# Altium PCB GBA_V1.PcbDoc (part 2 of 4) (continued)
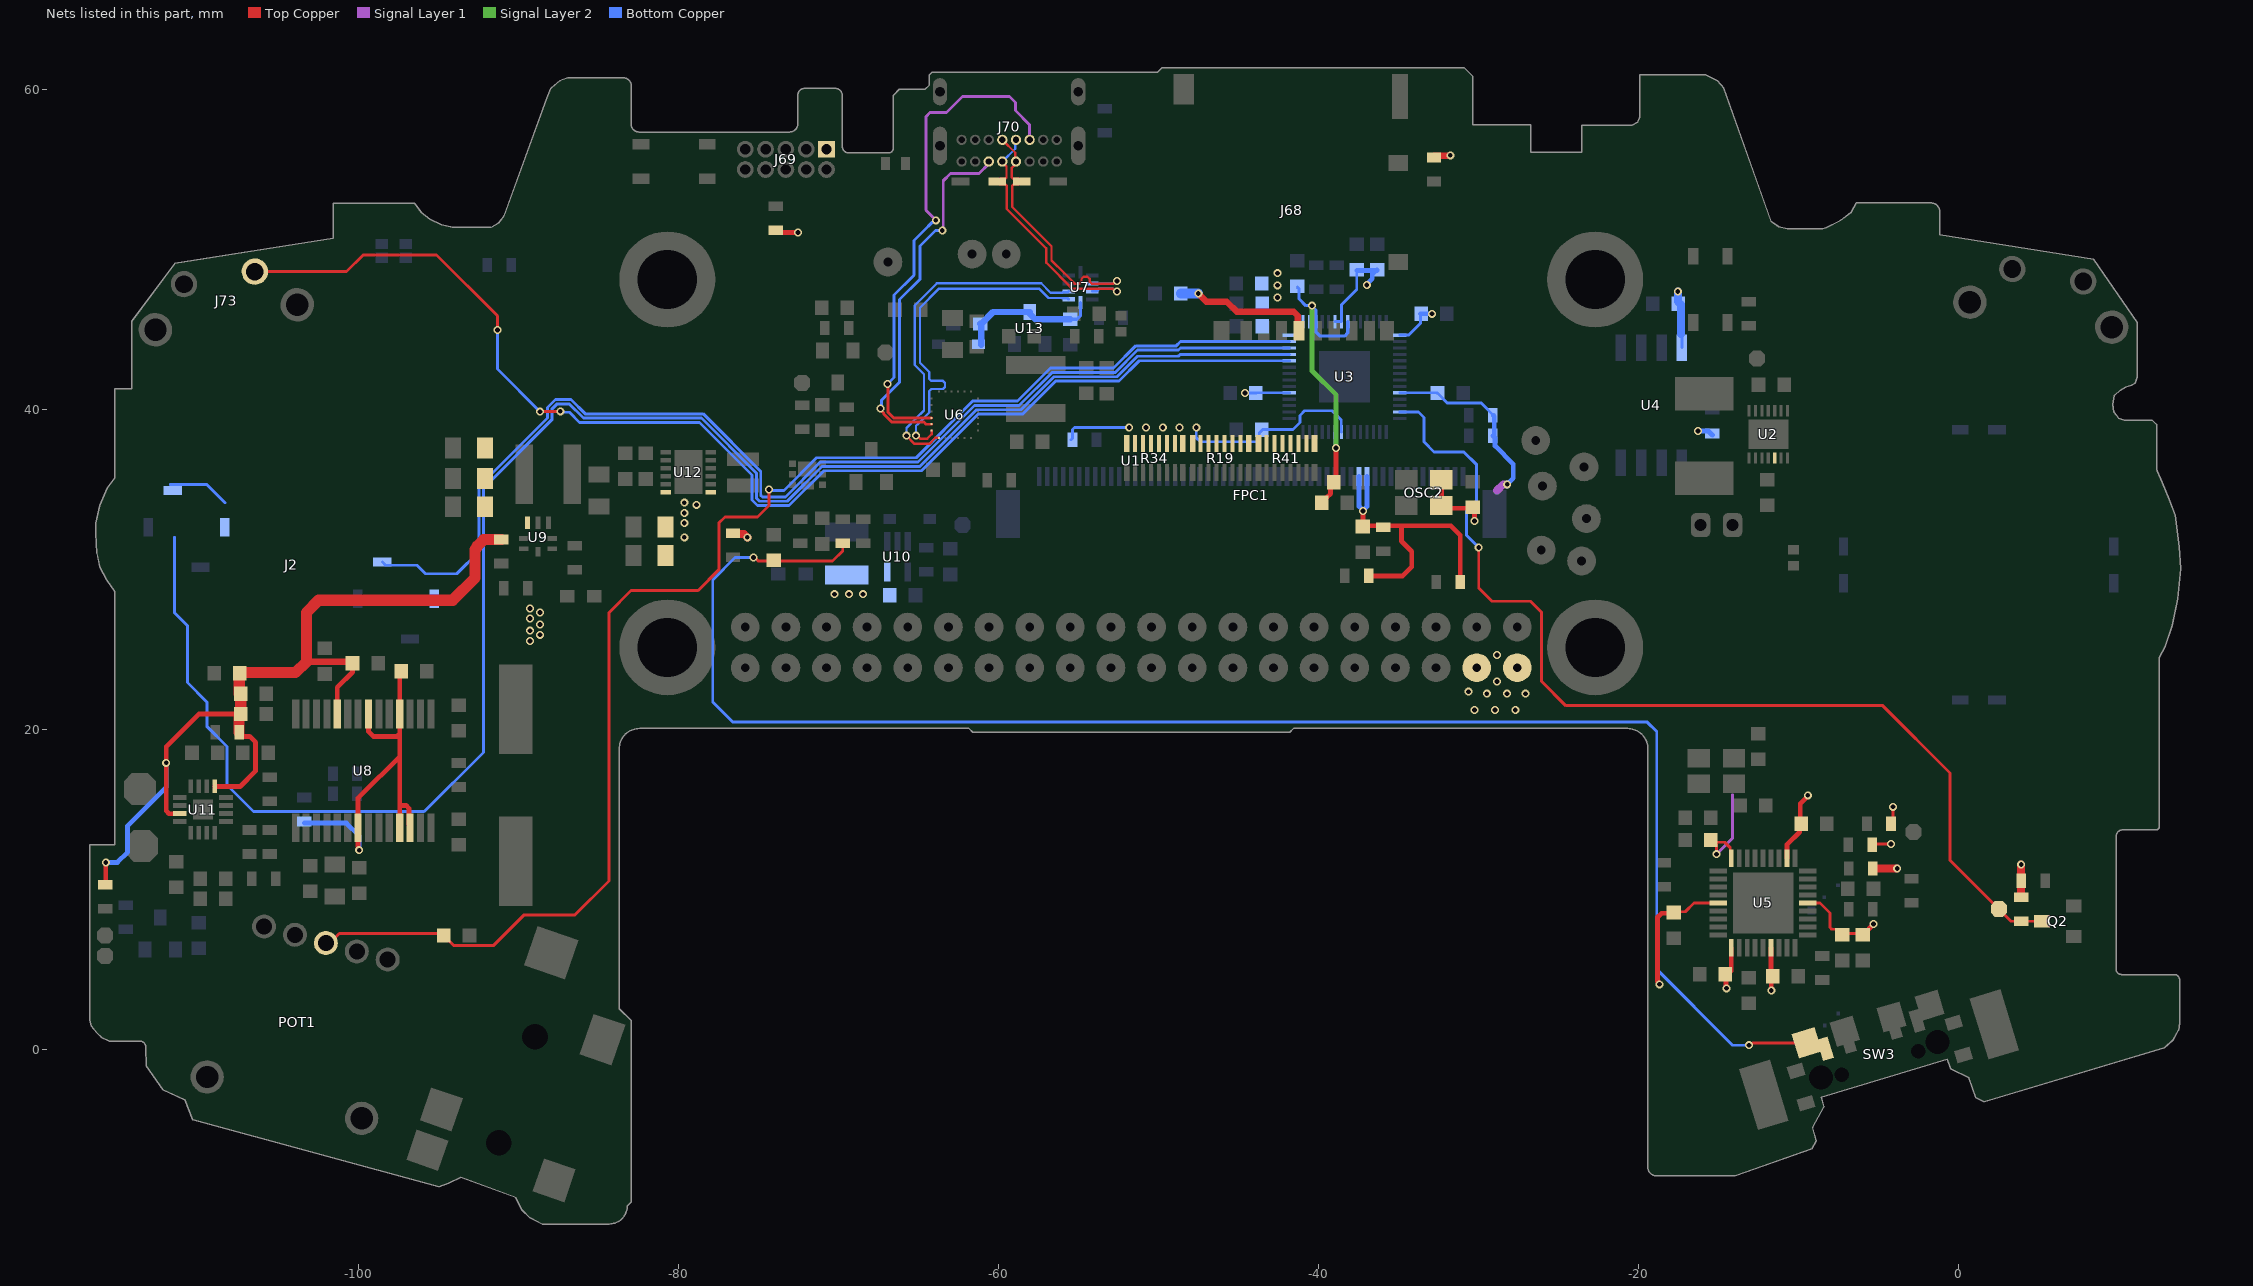
[diagram p4: the nets of this part, all layers, seen from the top]
## Part data (continued)
R59: library part RE0603FRE07200KL, "Res Thick Film 0603 200K Ohm 1% 1/10W ±50ppm/°C Molded SMD Paper T/R", Case/Package=0603, Manufacturer=Yageo, Max Operating Temperature=155°C, Max Power Dissipation=100mW, Min Operating Temperature=-55°C, Resistance=200kR, Resistor Type="Thick Film", Supplier Part Number 1=603-RE0603FRE07200KL, Temperature Coefficient=50ppm/°C, Tolerance=1%, Category="Chip SMD Resistors", ComponentLink1Description=http://www.yageo.com/NewPortal/yageodocoutput?fileName=/pdf/R-Chip/PYu-RE_105_RoHS_L_4.pdf&src-supplier=Digi-Key, ComponentLink1URL=http://www.yageo.com/NewPortal/yageodocoutput?fileName=/pdf/R-Chip/PYu-RE_105_RoHS_L_4.pdf&src-supplier=Digi-Key, Features="Moisture Resistant", Height=0.022inch, Length=0.063inch, Manufacturer Part Number=RE0603FRE07200KL, Number of Terminations=2, Packaging="Tape and Reel", Pricing 1="1=0,10000, 10=0,03700, 50=0,03700, 100=0,01500, 1000=0,00700, 10000=0,00500 (USD)", RoHS=Yes, RoHS Compliant=Yes, Stock 1=23235, Supplier 1=Mouser, Width=0.032inch
RSENSE1: library part LR2512-23R010F4, "Low Resistors & Current Sense Resistors - Surface Mount 0.01Ohms ±1% 3W 2512 RoHS"
SOLDER1 SOLDER2: library part SOLDERPAD
SW1 SW2: library part SKRPACE010, "Tactile Switches 4.2x3.2x2.5mm 260gf", Case/Package=SMD/SMT, Color=Clear, Contact Resistance=500mR, Current Rating=50mA, Manufacturer="Alps Electric", Max Operating Temperature=70°C, Max Voltage Rating (DC)=16V, Min Operating Temperature=-20°C, Operating Force=2.55N, Package Quantity=4000, Actuator Length=0.7mm, Category="Tactile Switches", ComponentLink1Description=https://datasheet.ciiva.com/16156/skrp-16156208.pdf?src-supplier=Onlinecomponents.com, ComponentLink1URL=https://datasheet.ciiva.com/16156/skrp-16156208.pdf?src-supplier=Onlinecomponents.com, ComponentLink2Description=https://datasheet.ciiva.com/18145/getdatasheetpartid-652528-18145947.pdf?src-supplier=Verical, ComponentLink2URL=https://datasheet.ciiva.com/18145/getdatasheetpartid-652528-18145947.pdf?src-supplier=Verical, Contact Plating=Silver, Depth=3.2mm, Electrical Life=50000Cycles, Lead Free="Lead Free", Length=4.6mm, Manufacturer Part Number=SKRPACE010, Max Current Rating=50mA, Mount="Surface Mount", Orientation=Straight, Packaging="Tape and Reel", Pricing 1="4000=0,05263, 8000=0,05195, 16000=0,05063, 24000=0,04938, 40000=0,04819 (USD)", Radiation Hardening=No, RoHS=Yes, Supplier 1=Avnet, Supplier Part Number 1=SKRPACE010, Termination=J-Bend, Throw Configuration=SPST, Voltage Rating (DC)=16V
SW3: library part "GBA Switch Original", "Interruptor Original On OFF"
TEST1 TEST2 TEST3 TEST4 TEST5 TEST6 TEST7 TEST17: library part PP_SMT_ROUND_2MM, "Probe Pad, SMT, ROUND, 2.0MM"
THR1 THR2: library part NCP15XH103F03RC, "THERMISTOR NTC 10KOHM 3380K 0402", B Value Tolerance=±1%, Manufacturer="Murata Electronics North America", Operating Temperature="-40°C ~ 125°C", Package / Case="0402 (1005 Metric)", Resistance in Ohms @ 25°C=10k, Supplier Part Number 1=490-4801-1-ND, B0/50=-, B25/50=3380K, B25/75=-, B25/85=3434K, B25/100=3455K, Category="Sensors, Transducers", ComponentLink1Description=https://www.murata.com/en-us/api/pdfdownloadapi?cate=&partno=NCP15XH103F03RC, ComponentLink1URL=https://www.murata.com/en-us/api/pdfdownloadapi?cate=&partno=NCP15XH103F03RC, Length - Lead Wire=-, Manufacturer Part Number=NCP15XH103F03RC, Mounting Type="Surface Mount", Packaging="Cut Tape (CT)", Part Status=Active, Pricing 1="1=0.11, 5=0.106, 10=0.094, 25=0.0868, 50=0.0696, 100=0.0596, 500=0.05216, 1000=0.04471, 5000=0.03974 (GBP)", Resistance Tolerance=±1%, RoHS="RoHS Compliant", Stock 1=432156, Supplier 1=Digi-Key
TVS1 TVS2: library part PESD5V0S1BA,115, "PESD Series 14 V 45 pF Bi-Directional ESD Protection Diode - SOD-323", Manufacturer=Nexperia, Supplier Part Number 1=771-PESD5V0S1BA-T/R, Category="ESD and Circuit Protection ICs", ComponentLink1Description=http://www.farnell.com/datasheets/461331.pdf?src-supplier=Farnell, ComponentLink1URL=http://www.farnell.com/datasheets/461331.pdf?src-supplier=Farnell, ComponentLink2Description=https://assets.nexperia.com/documents/data-sheet/PESD5V0S1BA_BB_BL.pdf?src-supplier=Digi-Key, ComponentLink2URL=https://assets.nexperia.com/documents/data-sheet/PESD5V0S1BA_BB_BL.pdf?src-supplier=Digi-Key, Manufacturer Part Number=PESD5V0S1BA,115, Pricing 1="1=0,40000, 10=0,30800, 50=0,30800, 100=0,17500, 1000=0,08900, 10000=0,06900 (USD)", RoHS=Yes, RoHS Compliant=Yes, Supplier 1=Mouser
TVS3: library part DESD5V0U1BA-7, "TVSDIODE5VWM7.2VCSOD323", Clamping Voltage=7.2V, Manufacturer=Diodes, Max Operating Temperature=150°C, Min Breakdown Voltage=5.5V, Min Operating Temperature=-65°C, Peak Pulse Current=3A, Power Line Protection=No, Resistor Type=Zener, Reverse Standoff Voltage=5V, Supplier Part Number 1=621-DESD5V0U1BA-7, Category="TVS Diodes", ComponentLink1Description=http://www.farnell.com/datasheets/2814368.pdf?src-supplier=Farnell, ComponentLink1URL=http://www.farnell.com/datasheets/2814368.pdf?src-supplier=Farnell, ComponentLink2Description=http://www.mouser.com/ds/2/115/DESD5V0U1BA-756900.pdf?src-supplier=Mouser, ComponentLink2URL=http://www.mouser.com/ds/2/115/DESD5V0U1BA-756900.pdf?src-supplier=Mouser, ComponentLink3Description=http://www.farnell.com/datasheets/2814368.pdf?src-supplier=Newark, ComponentLink3URL=http://www.farnell.com/datasheets/2814368.pdf?src-supplier=Newark, ComponentLink4Description=http://www.farnell.com/datasheets/2814368.pdf?src-supplier=Element14, ComponentLink4URL=http://www.farnell.com/datasheets/2814368.pdf?src-supplier=Element14, ComponentLink5Description=https://www.diodes.com/assets/Datasheets/DESD5V0U1BA.pdf?src-supplier=Digi-Key, ComponentLink5URL=https://www.diodes.com/assets/Datasheets/DESD5V0U1BA.pdf?src-supplier=Digi-Key, Manufacturer Part Number=DESD5V0U1BA-7, Mount="Surface Mount", Number of Bidirectional Channels=1, Packaging="Tape and Reel", Pricing 1="1=0,26000, 10=0,21200, 50=0,21200, 100=0,11300, 1000=0,05100, 10000=0,03300 (USD)", RoHS=Yes, RoHS Compliant=Yes, Stock 1=119202, Supplier 1=Mouser
U1: library part "PI ZERO 2W", "Comprar los pogo 575-906015  x 60 y los de los tornillos x4 710-9774025151R"
U2: library part MAX17260SETD+, "Gestión de baterías 5.1 A 1-Cell Fuel Gauge with ModelGauge m5 EZ and Optional High-SideCurrent Sensing", Manufacturer="Maxim Integrated", Supplier Part Number 1=700-MAX17260SETD+, Temperatura operativa máxima="+ 85 C", Temperatura operativa mínima="- 40 C", Voltaje operativo de suministro="2.3 V to 4.9 V", Cantidad estándar de paquetes=100, Category="Gestión de baterías", CNHTS=8542319000, ComponentLink1Description=http://www.mouser.com/datasheet/2/256/MAX17260-1369516.pdf, ComponentLink1URL=http://www.mouser.com/datasheet/2/256/MAX17260-1369516.pdf, Corriente de suministro operativa="15 uA", Empaquetado / Estuche=TDFN-EP-14, Estilo de montaje=SMD/SMT, Fabricante="Maxim Integrated", HTS Code=8542390001, Kit de desarrollo=MAX17260XEVKIT#, Manufacturer Part Number=MAX17260SETD+, Marca="Maxim Integrated", Minimum Order Quantity=1, Pricing 1="1=1.96, 25=1.34, 50=1.09, 250=1.07, 1000=1.01 (EUR)", Product Status="New Product", Producto="Fuel Gauges", Reeling=False, RoHS="RoHS Compliant", RoHS - Mouser=Y, Serie=MAX17260, Stock 1=287, Subcategoría="PMIC - Power Management ICs", Supplier 1=Mouser, Tipo de batería="Li+, LiFePO4", Tipo de producto="Battery Management"
U3: library part RPICHIPRP2040-7-500, "RP2040 Raspberry pi Dual core M0", Manufacturer="Raspberry Pi", Supplier Part Number 1=358-RP2040CHIP-7-500, Category=Uncategorized, Manufacturer Part Number=RPICHIPRP2040-7-500, Pricing 1="1=1,25000, 10=1,25000, 50=1,25000, 100=1,25000, 1000=1,25000, 10000=1,25000 (USD)", RoHS=No, Stock 1=12140, Supplier 1=Mouser
U4: library part W25Q16JVSSIQ, "ICFLASH16MBIT133MHZ8SOIC", Case/Package=SOIC, Frequency=133MHz, Manufacturer=Winbond, Max Operating Temperature=85°C, Min Operating Temperature=-40°C, Category=Flash, ComponentLink1Description=http://www.winbond.com/resource-files/w25q16jv%20spi%20revg%2003222018%20plus.pdf?src-supplier=Digi-Key, ComponentLink1URL=http://www.winbond.com/resource-files/w25q16jv%20spi%20revg%2003222018%20plus.pdf?src-supplier=Digi-Key, Manufacturer Part Number=W25Q16JVSSIQ, Memory Size=16Mb, Memory Type=Non-Volatile,FLASH, Mount="Surface Mount", Packaging=Rail/Tube, Pricing 1="1=0,65330, 10=0,63190, 25=0,59860, 50=0,59510, 100=0,52980, 250=0,52330, 500=0,51540, 1000=0,50070, 5000=0,44520 (USD)", RoHS=Yes, RoHS Compliant=Yes, Stock 1=7759, Supplier 1="Arrow Electronics", Supplier Part Number 1=W25Q16JVSSIQ
U5: library part USB2512B/M2, Manufacturer 1=Microchip, Manufacturer Part Number 1=USB2514B-I/M2, Max Operating Temperature=85°C, Max Supply Voltage=3.6V, Min Operating Temperature=-40°C, Min Supply Voltage=3V, Operating Supply Current=70mA, Supplier Part Number 1=579-USB2514B-I/M2, ComponentLink1Description=http://www.farnell.com/datasheets/2032129.pdf?src-supplier=Farnell, ComponentLink1URL=http://www.farnell.com/datasheets/2032129.pdf?src-supplier=Farnell, ComponentLink2Description=http://ww1.microchip.com/downloads/en/DeviceDoc/00001692B.pdf?src-supplier=Avnet, ComponentLink2URL=http://ww1.microchip.com/downloads/en/DeviceDoc/00001692B.pdf?src-supplier=Avnet, ComponentLink3Description=http://www.microchip.com/mymicrochip/filehandler.aspx?ddocname=en562310&src-supplier=Digi-Key, ComponentLink3URL=http://www.microchip.com/mymicrochip/filehandler.aspx?ddocname=en562310&src-supplier=Digi-Key, ComponentLink4Description=http://www.farnell.com/datasheets/2032129.pdf?src-supplier=Element14, ComponentLink4URL=http://www.farnell.com/datasheets/2032129.pdf?src-supplier=Element14, Data Rate=480Mbps, Interface=USB, Lead Free="Lead Free", Number of Pins=36, Number of Ports=4, Packaging=Tray, Pricing 1="1=3.02000, 10=2.98000, 25=2.52000, 50=2.52000, 100=2.43000, 1000=2.43000, 10000=2.27000 (USD)", REACH SVHC="No SVHC", RoHS=Yes, Stock 1=2735, Supplier 1=Mouser, USB Standard="USB 2.0"
U6: library part MAX77757JEFG420+, "Gestión de baterías 14V Input, 3A USB Type C Autonomous Charger", Manufacturer=Maxim, Manufacturer Part Number=MAX77757JEFG420+, Pricing 1="624=2,08051, 1248=2,01751, 2496=1,95451, 3744=1,89151, 4992=1,82851, 6240=1,76551, 62400=1,70251 (USD)", RoHS=No, Supplier 1=Avnet, Supplier Part Number 1=MAX77757JEFG420+
U7: library part "NX3DV221GM,115 (2)", "Analog Switch Single SPDT 10-Pin XQFN T/R", High Level Output Current=120mA, Manufacturer="NXP Semiconductors", Manufacturer Part Number=NX3DV221GM,115, Max Operating Temperature=85°C, Max Power Dissipation=250mW, Max Supply Voltage=3.6V, Min Operating Temperature=-40°C, Min Supply Voltage=2.3V, On-State Resistance=7R, Operating Supply Current=10nA, Operating Supply Voltage=3V, Package Quantity=5000, Supplier Part Number 1=771-NX3DV221GM115, Category="Decoders and Multiplexers", ComponentLink1Description=https://datasheet.ciiva.com/6637/nx3dv221-6637624.pdf?src-supplier=Digi-Key, ComponentLink1URL=https://datasheet.ciiva.com/6637/nx3dv221-6637624.pdf?src-supplier=Digi-Key, ComponentLink2Description=https://datasheet.ciiva.com/11581/nx3dv221-11581020.pdf?src-supplier=Avnet, ComponentLink2URL=https://datasheet.ciiva.com/11581/nx3dv221-11581020.pdf?src-supplier=Avnet, Lead Free="Lead Free", Low Level Output Current=120mA, Mount="Surface Mount", Number of Channels=1, Number of Inputs=2, Number of Outputs=4, Number of Pins=10, Packaging="Tape and Reel", Polarity=Non-Inverting, Power Dissipation=250mW, Pricing 1="1=0,98000, 10=0,85800, 50=0,85800, 100=0,65800, 1000=0,49100, 10000=0,49000 (USD)", Radiation Hardening=No, RoHS=Yes, Series=-, Stock 1=3680, Supplier 1=Mouser, Supply Type=Single, Throw Configuration=SPDT
U8: library part PCM2704CDBR, "PCM2704C 98DB Snr Stereo Full Sp", Case/Package=SSOP, Manufacturer="Texas Instruments", Max Operating Temperature=85°C, Max Supply Voltage=5.25V, Min Operating Temperature=-25°C, Min Supply Voltage=3V, Operating Supply Voltage=5V, Package Quantity=2000, Supplier Part Number 1=595-PCM2704CDBR, Category="Amplifiers - Audio", ComponentLink1Description=https://datasheet.ciiva.com/1825/pcm2704c-1825851.pdf?src-supplier=Digi-Key, ComponentLink1URL=https://datasheet.ciiva.com/1825/pcm2704c-1825851.pdf?src-supplier=Digi-Key, ComponentLink2Description=https://datasheet.ciiva.com/1825/pcm2704c-1825852.pdf?src-supplier=Digi-Key, ComponentLink2URL=https://datasheet.ciiva.com/1825/pcm2704c-1825852.pdf?src-supplier=Digi-Key, ComponentLink3Description=https://datasheet.ciiva.com/1825/pcm2704c-1825853.pdf?src-supplier=Digi-Key, ComponentLink3URL=https://datasheet.ciiva.com/1825/pcm2704c-1825853.pdf?src-supplier=Digi-Key, Conversion Rate=48KS/s, Interface=Serial,SPI,USB, Lead Free="Lead Free", Manufacturer Part Number=PCM2704CDBR, Mount="Surface Mount", Number of Analog Inputs=0, Number of Analog Outputs=2, Number of Channels=2, Number of Converters=2, Number of DAC Channels=0, Number of Pins=28, Output Type=Voltage, Packaging="Tape and Reel", Pricing 1="1=9,13000, 10=8,25000, 25=7,86000, 50=7,86000, 100=6,83000, 250=6,52000, 500=5,95000, 1000=5,57000, 2000=5,56000, 10000=5,56000 (USD)", Radiation Hardening=No, Resolution=16b, RoHS=Yes, RoHS Compliant=Yes, Sampling Rate=48000S/s, Series=PCM2704C, Signal to Noise Ratio (SNR)=98dB, Stock 1=1234, Supplier 1=Mouser, Supply Type=Analog,Digital
U9: library part MIC2877-AYFT-TR, "Conv DC-DC 2.5V to 5.5V Synchronous Step Up Single-Out 2.5V to 5.5V 2A 8-Pin FTQFN T/R", Manufacturer=Microchip, Supplier Part Number 1=579-MIC2877-AYFT-TR, Category="Voltage Regulators - Switching", ComponentLink1Description=http://www.microchip.com/mymicrochip/filehandler.aspx?ddocname=en601345&src-supplier=Digi-Key, ComponentLink1URL=http://www.microchip.com/mymicrochip/filehandler.aspx?ddocname=en601345&src-supplier=Digi-Key, Manufacturer Part Number=MIC2877-AYFT-TR, Mount="Surface Mount", Number of Pins=8, Packaging="Tape and Reel", Pricing 1="1=1,17000, 10=1,17000, 50=0,98600, 100=0,90000, 1000=0,90000, 10000=0,89900 (USD)", RoHS=Yes, RoHS Compliant=Yes, Stock 1=4903, Supplier 1=Mouser
U10: library part TPS61169DCKR, "IC LED DRVR RGLTR DIM 1.8A SC70", Case/Package=SC, Frequency=1.2MHz, Manufacturer="Texas Instruments", Max Input Voltage=5.5V, Max Operating Temperature=85°C, Max Output Current=2.4A, Max Output Voltage=38V, Min Input Voltage=2.7V, Min Operating Temperature=-40°C, Nominal Input Voltage (DC)=3.6V, Output Current=400mA, Output Current per Channel=1.8A, Package Quantity=3000, Supplier Part Number 1=595-TPS61169DCKR, ComponentLink1Description=http://www.ti.com/general/docs/lit/getliterature.tsp?genericPartNumber=TPS61169&&fileType=pdf&src-supplier=Element14, ComponentLink1URL=http://www.ti.com/general/docs/lit/getliterature.tsp?genericPartNumber=TPS61169&&fileType=pdf&src-supplier=Element14, ComponentLink2Description=http://www.ti.com/general/docs/lit/getliterature.tsp?genericPartNumber=TPS61169&amp;&amp;fileType=pdf&src-supplier=Farnell, ComponentLink2URL=http://www.ti.com/general/docs/lit/getliterature.tsp?genericPartNumber=TPS61169&amp;&amp;fileType=pdf&src-supplier=Farnell, ComponentLink3Description=http://www.ti.com/general/docs/lit/getliterature.tsp?genericPartNumber=TPS61169&&fileType=pdf&src-supplier=Avnet, ComponentLink3URL=http://www.ti.com/general/docs/lit/getliterature.tsp?genericPartNumber=TPS61169&&fileType=pdf&src-supplier=Avnet, ComponentLink4Description=http://www.ti.com/lit/ds/symlink/tps61169.pdf?src-supplier=Digi-Key, ComponentLink4URL=http://www.ti.com/lit/ds/symlink/tps61169.pdf?src-supplier=Digi-Key, ComponentLink5Description=http://www.ti.com/lit/gpn/tps61169?src-supplier=Mouser, ComponentLink5URL=http://www.ti.com/lit/gpn/tps61169?src-supplier=Mouser, ComponentLink6Description=http://www.ti.com/general/docs/lit/getliterature.tsp?genericPartNumber=TPS61169&&fileType=pdf&src-supplier=Avnet+Asia, ComponentLink6URL=http://www.ti.com/general/docs/lit/getliterature.tsp?genericPartNumber=TPS61169&&fileType=pdf&src-supplier=Avnet+Asia, Contact Plating=Gold, Dimming=PWM, Height=1.1mm, Lead Free="Lead Free", Length=2mm, Manufacturer Part Number=TPS61169DCKR, Max Input Voltage (DC)=5.5V, Max Supply Voltage=5.5V, Min Output Voltage=2.7V, Mount="Surface Mount", Number of Channels=1, Number of Outputs=1, Number of Pins=5, Output Type=Frequency, Output Voltage=38V, Packaging="Tape and Reel", Pricing 1="1 = 0,90000, 10 = 0,77000, 50 = 0,77000, 100 = 0,58700, 1000 = 0,41000, 10000 = 0,35000 (USD)", REACH SVHC="No SVHC", RoHS=Yes, Stock 1=91313, Supplier 1=Mouser, Switching Frequency=1.2MHz, Topology=Boost, Weight=0.000705oz, Width=1.25mm
U11: library part MAX98307ETE+T, "IC AMP AUD 3.3W MONO DG 16TQFN", Manufacturer 1=Maxim, Max Operating Temperature=85°C, Max Output Current=800mA, Max Output Power=3.3W, Max Power Dissipation=1.667W, Max Supply Voltage=5.25V, Min Operating Temperature=-40°C, Min Supply Voltage=2.6V, Nominal Supply Current=1.85mA, Package Quantity=1, Power Supply Rejection Ratio (PSRR)=78dB, Supplier Part Number 1=700-MAX98307ETE+T, Category="Amplifiers - Audio", Common Mode Rejection Ratio=65dB, ComponentLink1Description=https://datasheet.ciiva.com/12300/max98307-max98308-111199-12300835.pdf?src-supplier=Mouser, ComponentLink1URL=https://datasheet.ciiva.com/12300/max98307-max98308-111199-12300835.pdf?src-supplier=Mouser, ComponentLink2Description=https://datasheet.ciiva.com/2968/max98307-max98308-2968008.pdf?src-supplier=Avnet, ComponentLink2URL=https://datasheet.ciiva.com/2968/max98307-max98308-2968008.pdf?src-supplier=Avnet, ComponentLink3Description=https://datasheet.ciiva.com/1789/max98307-max98308-1789883.pdf?src-supplier=Digi-Key, ComponentLink3URL=https://datasheet.ciiva.com/1789/max98307-max98308-1789883.pdf?src-supplier=Digi-Key, ComponentLink4Description=https://datasheet.ciiva.com/1789/max98307-max98308-1789884.pdf?src-supplier=Digi-Key, ComponentLink4URL=https://datasheet.ciiva.com/1789/max98307-max98308-1789884.pdf?src-supplier=Digi-Key, ComponentLink5Description=https://datasheet.ciiva.com/1789/max98307-max98308-1789885.pdf?src-supplier=Digi-Key, ComponentLink5URL=https://datasheet.ciiva.com/1789/max98307-max98308-1789885.pdf?src-supplier=Digi-Key, Contact Plating=Tin,Matte, Manufacturer Part Number 1=MAX98307ETE+T, Mount="Surface Mount", Number of Pins=16, Output Power=3.3W, Packaging="Tape and Reel", Pricing 1="1=1,73000, 10=1,55000, 25=1,47000, 50=1,46000, 100=1,17000, 250=1,03000 (USD)", Radiation Hardening=No, RoHS=Yes, Stock 1=6006, Supplier 1=Mouser
U12: library part RP604K331A-TR, "Dcdc Converter Ultra-low Quiesce", Manufacturer=Ricoh, Supplier Part Number 1=848-RP604K331A-TR, Category="Voltage Regulators - Switching", Manufacturer Part Number=RP604K331A-TR, RoHS=No, Stock 1=645, Supplier 1=Mouser
U13: library part MMBZ5226B-7-F, "Zener Diode Single 3.3V 5% 28Ohm 350mW 3-Pin SOT-23 T/R / DIODE ZENER 3.3V 350MW SOT23-3", Case/Package=SOT-23-3, Forward Voltage=900mV, Manufacturer=Diodes, Max Operating Temperature=150°C, Max Power Dissipation=350mW, Max Reverse Current=25uA, Min Operating Temperature=-65°C, Package Quantity=3000, Supplier Part Number 1=621-MMBZ5226B-F, Test Current=20mA, Tolerance=5%, Voltage Rating (DC)=3.3V, Category="Zener Diodes", ComponentLink1Description=https://datasheet.ciiva.com/10643/ds18011-10643287.pdf?src-supplier=Avnet, ComponentLink1URL=https://datasheet.ciiva.com/10643/ds18011-10643287.pdf?src-supplier=Avnet, Contact Plating=Tin,Matte, Element Configuration=Single, ESD Protection=No, Height=1mm, Impedance=28R, Lead Free="Lead Free", Length=2.9mm, Manufacturer Part Number=MMBZ5226B-7-F, Max Reverse Leakage Current=25uA, Mount="Surface Mount", Number of Pins=3, Packaging="Tape and Reel", Power Dissipation=350mW, Power Rating=350mW, Pricing 1="1=0,16000, 10=0,14500, 50=0,14500, 100=0,07900, 1000=0,03400, 10000=0,02200 (USD)", Radiation Hardening=No, RoHS=Yes, RoHS Compliant=Yes, Series=-, Stock 1=7784, Supplier 1=Mouser, Termination=SMD/SMT, Voltage Tolerance=5%, Weight=0.000282oz, Width=2.4mm, Working Voltage=3.3V, Zener Current=25uA, Zener Voltage=3.3V

## Via types
v1: diameter 0.5/0.5/0.5/0.5 (per signal layer), hole 0.3, Top Copper to Bottom Copper, tented both sides, 284 vias
v2: diameter 0.5, hole 0.3, Top Copper to Bottom Copper, tented both sides, 128 vias
v3: diameter 0.5/0.5/0.5/0.5 (per signal layer), hole 0.3, Top Copper to Bottom Copper, 5 vias

## Nets (pads, with @x,y where several pads share a name; then routed paths per layer and width w, separated by ;. In a path a pad name is that pad's centre, name@x,y a point inside that pad or via, vN(x,y) a via of type N, cw(c..) or ccw(c..) an arc to the next point about the centre after c; other vN are vias at no path point)
1V1: C33.1 C34.1 C35.1 U3.23 U3.45 U3.50 | length 20.7
  Top Copper w0.3: C35.1@-39.789,34.163 -39.789,34.188 -39.514,34.463 -39.489,34.463 -39.229,34.723 -39.229,35.281 -38.888,35.622 v2(-38.888,37.594)
  Signal Layer 2 w0.3: v2(-40.386,46.482) -40.386,42.397 -38.888,40.899 v2(-38.888,37.594)
  Bottom Copper w0.2: C33.1@-41.302,47.643 -41.204,47.544 -41.204,46.919 -40.771,46.486 -40.39,46.486 v2(-40.386,46.482) -40.386,46.444 -40.154,46.212 U3.45@-40.154,45.487 -40.154,44.853 -39.878,44.577 -38.354,44.577 -38.154,44.777 U3.50@-38.154,45.487 ; U3.23@-38.954,38.587 -38.954,37.659 v2(-38.888,37.594)
3V3_INT_REG: C28.1 R15.1 U8.4 U8.7 U8.21 U8.25 U8.26 | length 25.6
  Top Copper w0.3: U8.21@-100.02,13.208 -100.02,12.658 -99.987,12.626 -99.987,12.484 v1(-99.949,12.446) ; U8.21@-100.02,13.976 -100.02,15.699 -99.844,15.875 -97.42,18.299 ; U8.7@-99.37,21.076 -99.37,19.868 -99.06,19.558 -97.596,19.558 -97.42,19.734 ; U8.25@-97.42,13.976 -97.42,15.24 ; C28.1@-97.37,23.622 -97.42,23.572 -97.42,21.076 -97.42,19.734 ; U8.26@-96.77,13.976 -96.845,14.051 -96.845,15.064 -97.021,15.24 -97.42,15.24 ; -97.42,15.24 -97.42,18.299 ; -97.42,18.299 -97.42,19.734
  Bottom Copper w0.3: R15.1@-103.378,14.136 -100.75,14.136 -99.949,13.335 v1(-99.949,12.446)
3V3_REG: C25.1 R26.1 TVS3.2 U7.10 U13.3 | length 9
  Bottom Copper w0.2: C25.1@-55.499,45.631 -55.08,45.631 -54.864,45.847 U7.10@-54.864,46.675
  Bottom Copper w0.4: R26.1@-61.126,45.339 R26.1@-61.076,45.339 ; TVS3.2@-61.076,44.044 R26.1@-61.076,45.339 ; C25.1@-55.499,45.631 -57.685,45.631 -58.039,45.985 U13.3@-58.039,46.085 -60.33,46.085 R26.1@-61.076,45.339
3V3_SYS: C3.2 C4.2 C5.2 C6.1 C7.1 C8.1 C9.1 C10.1 C11.1 C15.1 C36.1 C43.1 C52.1 C53.1 C59.1 C60.1 C61.1 C64.1 C70.1 C71.1 C72.1 C73.1 FPC1.41 FPC1.42 J68.4 J69.1 OSC2.1 OSC2.4 R1.2 R2.2 R4.2 R5.2 R6.2 R19.9 R19.10 R19.11 R19.12 R19.13 R19.14 R19.15 R19.16 R27.2 R34.9 R34.10 R34.11 R34.12 R34.13 R34.14 R34.15 R34.16 R36.2 R38.1 R39.1 R40.2 R41.9 R41.10 R41.11 R41.12 R41.13 R41.14 R41.15 R41.16 R45.2 R48.2 R49.2 R50.2 R52.2 U3.1 U3.10 U3.22 U3.33 U3.42 U3.43 U3.44 U3.48 U3.49 U4.8 U5.5 U5.10 U5.15 U5.23 U5.29 U5.36 U12.6 U12.7 | length 120.6
  Top Copper w0.18: C15.1@-17.78,8.597 -17.057,8.597 -16.51,9.144 U5.5@-14.992,9.144 ; C53.1@-15.406,13.081 C53.1@-15.268,12.943 ; v2(-15.113,12.192) -15.113,12.788 C53.1@-15.268,12.943 ; U5.36@-14.192,11.944 -14.252,12.004 -14.252,12.601 -14.594,12.943 C53.1@-15.268,12.943 ; U5.23@-9.392,9.144 -8.636,9.144 -8.008,8.516 -8.008,7.605 -7.903,7.5 -7.539,7.5 C72.1@-7.239,7.2 ; C72.1@-7.153,7.239 C73.1@-6.137,7.239 ; R6.2@-5.282,12.792 -5.247,12.827 v1(-4.191,12.827) ; R4.2@-4.103,14.097 -4.066,14.134 v1(-4.066,15.158)
  Top Copper w0.3: R2.2@-73.914,51.093 -73.875,51.054 v1(-72.517,51.054) ; v2(-37.211,33.655) -37.211,32.727 -34.798,32.727 ; R45.2@-36.742,29.591 -34.72,29.591 -34.163,30.148 -34.163,31.115 -34.798,31.75 -34.798,32.727 ; OSC2.1@-32.301,35.598 OSC2.4@-32.301,33.998 -32.124,33.821 -30.603,33.821 -30.468,33.687 C43.1@-30.468,33.655 ; R50.2@-31.127,29.21 -31.127,32.143 -31.711,32.727 -34.798,32.727 ; C43.1@-30.353,33.821 -30.226,33.694 v1(-30.226,33.02) ; v2(-18.669,4.064) -18.669,4.118 -18.796,4.245 -18.796,8.255 -18.542,8.509 -17.868,8.509 C15.1@-17.78,8.597 ; C71.1@-14.517,4.699 -14.517,3.849 v2(-14.478,3.81) ; C71.1@-14.39,4.699 -14.192,4.897 U5.10@-14.192,6.344 ; U5.15@-11.692,6.344 -11.692,4.619 -11.645,4.572 -11.684,4.533 v2(-11.684,3.683) ; U5.29@-10.692,11.944 -10.692,12.803 -9.913,13.582 C52.1@-9.913,13.974 ; C52.1@-9.913,14.101 C52.1@-9.867,14.147 ; C52.1@-9.867,14.097 C52.1@-9.867,14.147 ; v2(-9.398,15.875) -9.398,15.823 -9.867,15.354 C52.1@-9.867,14.147 ; C73.1@-5.969,7.2 -5.915,7.2 v2(-5.285,7.83)
  Top Copper w0.4: v1(-47.498,47.244) -46.99,46.736 -45.72,46.736 -45.085,46.101 -41.529,46.101 -41.275,45.847 -41.275,44.978 J68.4@-41.206,44.909 ; R39.1@-32.766,55.841 -31.816,55.841 -31.777,55.88 v1(-31.75,55.88)
  Top Copper w0.5: R38.1@-76.581,32.246 -76.531,32.196 -76.135,32.196 -75.883,32.195 v2@-75.692,32.004 ; R5.2@-5.346,11.303 v1(-3.81,11.303) ; R27.2@3.937,9.513 v2(3.937,11.557)
  Signal Layer 1 w0.18: v2(-15.113,12.192) -14.097,13.208 -14.097,15.912
  Signal Layer 1 w0.5: -28.829,34.925 -28.437,35.317 v1(-28.192,35.317)
  Bottom Copper w0.18: R52.2@-55.46,38.1 -55.372,38.188 -55.372,38.735 -55.245,38.862 v2(-51.816,38.862) ; v2(-47.625,38.862) -47.625,38.227 -47.371,37.973 -43.815,37.973 -43.688,38.1 -43.688,38.52 -43.473,38.735 -41.585,38.735 -41.234,39.086 ; v2(-44.577,41.021) C6.1@-43.904,41.021 C6.1@-43.854,41.021 ; C6.1@-43.838,41.037 U3.33@-41.804,41.037 ; -41.234,39.087 -41.148,39.173 -41.148,39.624 -40.862,39.911 -39.149,39.911 -38.564,39.326 -38.564,38.597 U3.22@-38.554,38.587 ; U3.48@-38.954,45.487 U3.49@-38.554,45.487 -38.554,46.536 -37.592,47.498 C10.1@-37.592,48.68 ; U3.10@-34.904,41.037 -32.616,41.037 -32.6,41.021 C5.2@-32.55,41.021 -31.915,40.386 -29.807,40.386 R48.2@-29.045,39.624 ; U3.1@-34.904,44.637 -34.894,44.647 -34.347,44.647 -33.616,45.378 C3.2@-33.616,45.974 ; C36.1@-17.324,46.545 -17.272,46.493 U4.8@-17.272,43.859
  Bottom Copper w0.3: C10.1@-37.592,48.68 C11.1@-36.397,48.68 ; FPC1.41@-37.446,35.794 -37.446,33.931 -37.221,33.706 v2@-37.221,33.655 ; v2(-37.211,33.655) -37.211,33.666 -36.946,33.931 FPC1.42@-36.946,35.794 ; v2(-36.97,47.765) -36.97,47.816 -36.622,48.164 -36.622,48.455 C11.1@-36.397,48.68 ; C11.1@-36.322,48.68 C11.1@-36.397,48.68 ; C11.1@-36.322,48.73 -36.347,48.73 C11.1@-36.397,48.68 ; C3.2@-33.616,45.974 C3.2@-33.566,45.974 v2(-32.893,45.974) ; R49.2@-29.095,38.354 -28.95,38.209 -28.95,37.713 -27.813,36.576 -27.813,35.697 v1(-28.192,35.317) ; R48.2@-29.045,39.624 -28.995,39.574 R49.2@-28.995,38.354 ; v1(-16.256,38.647) -15.617,38.647 R1.2@-15.367,38.397
  Bottom Copper w0.5: v1(-17.526,47.371) -17.526,46.747 C36.1@-17.324,46.545 ; -17.324,44.696 C36.1@-17.324,46.418
  Bottom Copper w0.6: C61.1@-48.603,47.244 v1(-47.498,47.244)
  other v1: -79.629,32.004 -79.629,32.893 -79.629,33.528 -78.867,34.036 -79.629,34.163 -42.545,46.99 -42.545,47.752 -42.545,48.514
  other v2: -75.692,32.004 -50.768,38.862 -49.721,38.862 -48.673,38.862
5V_SYS: C38.1 C39.1 C40.1 C41.1 C47.2 C48.2 C49.2 C65.1 L5.1 R20.2 R23.2 R58.2 U1.2 U1.4 U8.10 U9.5 U10.5 U11.3 U11.13 | length 59.3
  Top Copper w0.3: R23.2@-115.824,10.375 -115.79,10.409 v1(-115.79,11.684) ; U11.3@-110.94,14.724 -111.838,14.724 -112.014,14.9 v2(-112.014,17.907) -112.014,18.923 -109.982,20.955 C48.2@-107.403,20.955 ; U11.13@-108.978,16.424 -107.401,16.424 -106.426,17.399 -106.426,19.189 -106.795,19.558 -107.304,19.558 -107.454,19.708 R20.2@-107.454,19.812 ; U8.10@-101.32,21.076 -101.32,22.621 -100.368,23.573 C65.1@-100.368,24.232
  Top Copper w0.4: -103.251,24.222 -100.46,24.222 C65.1@-100.368,24.13
  Top Copper w0.5: -103.255,24.219 -103.251,24.222 ; C65.1@-100.465,24.222 C65.1@-100.368,24.13
  Top Copper w0.7: R20.2@-107.454,19.812 -107.454,20.829 -107.428,20.855 -107.428,20.88 C48.2@-107.353,20.955 C47.2@-107.353,22.225 ; C47.2@-107.442,22.225 -107.442,23.495 -107.392,23.545 -103.928,23.545 -103.255,24.219 ; -103.251,24.222 -103.251,27.305 -102.489,28.067 -94.107,28.067 -92.71,29.464 -92.71,31.242 -92.583,31.369 -92.583,31.441 -92.159,31.865 R58.2@-91.059,31.865
  Bottom Copper w0.3: v1(-115.79,11.684) -115.062,11.684 -114.427,12.319 -114.427,13.97 -112.014,16.383 v2(-112.014,17.907)
  other v1: -30.226,21.209 -28.956,21.209 -27.686,21.209 -29.464,22.225 -28.194,22.225 -27.051,22.225 -30.607,22.352 -28.829,22.987 -28.829,24.638 -89.281,25.527 -88.646,25.908 -89.281,26.162 -88.646,26.543 -89.281,26.924 -88.646,27.305 -89.281,27.559 -70.231,28.448 -69.342,28.448 -68.453,28.448
ADC0: J73.SW U3.38 | length 78.4
  Top Copper w0.18: J73.SW@-106.621,48.612 J73.SW@-106.471,48.612 -100.74,48.612 -99.695,49.657 -95.123,49.657 -91.313,45.847 v1(-91.313,44.958) ; v1(-88.646,39.856) -88.635,39.867 -87.387,39.867 v1(-87.376,39.878)
  Bottom Copper w0.18: v1(-91.313,44.958) -91.313,42.523 v1(-88.646,39.856) ; v1(-87.376,39.878) -87.315,39.817 -86.807,39.817 -86.17,39.18 -78.673,39.18 -75.39,35.897 -75.39,34.333 -75.046,33.989 -73.077,33.989 -70.902,36.164 -64.798,36.164 -61.259,39.703 -58.474,39.703 -56.409,41.768 -52.463,41.768 -51.194,43.037 U3.38@-41.804,43.037
ADC1: J2.A_1 U3.39 | length 115.7
  Bottom Copper w0.18: -111.76,35.306 -109.474,35.306 -108.331,34.163 ; -111.506,32.004 -111.506,27.305 -110.68,26.48 -110.68,22.924 -109.474,21.717 -109.474,20.193 -108.204,18.923 -108.204,16.51 -106.553,14.859 -95.888,14.859 -92.186,18.561 -92.186,35.071 -87.909,39.348 -87.909,40.005 -87.569,40.345 -86.83,40.345 -85.935,39.45 -78.561,39.45 -75.12,36.009 -75.12,34.445 -74.934,34.259 -73.189,34.259 -71.014,36.434 -64.91,36.434 -61.371,39.973 -58.586,39.973 -56.521,42.038 -52.575,42.038 -51.297,43.316 -48.751,43.316 -48.63,43.437 U3.39@-41.804,43.437
ADC2: J2.B_1 U3.40 | length 71.5
  Bottom Copper w0.18: J2.B_1@-98.497,30.456 -98.3,30.259 -96.341,30.259 -95.808,29.726 -93.848,29.726 -92.456,31.118 -92.456,35.183 -88.179,39.46 -88.179,40.117 -87.681,40.615 -86.718,40.615 -85.823,39.72 -78.449,39.72 -74.85,36.121 -74.85,34.634 -74.745,34.529 -73.301,34.529 -71.126,36.704 -65.022,36.704 -61.483,40.243 -58.698,40.243 -56.633,42.308 -52.687,42.308 -51.293,43.702 -48.756,43.702 -48.621,43.837 U3.40@-41.804,43.837
ADC3: C62.1 POT1.2 U3.41 | length 88.6
  Top Copper w0.18: POT1.2@-102.034,6.639 -101.792,6.639 -101.192,7.239 -94.78,7.239 C62.1@-94.653,7.112 -94.018,6.477 -91.567,6.477 -89.662,8.382 -86.487,8.382 -84.344,10.525 -84.344,27.29 -82.952,28.682 -78.76,28.682 -77.47,29.972 -77.47,32.893 -77.089,33.274 -75.057,33.274 -74.341,33.99 v1(-74.341,34.996)
  Bottom Copper w0.18: v1(-74.341,34.996) -74.28,34.935 -73.396,34.935 -71.357,36.974 -65.134,36.974 -61.595,40.513 -58.809,40.513 -56.744,42.578 -52.799,42.578 -51.405,43.972 -48.877,43.972 -48.612,44.237 U3.41@-41.804,44.237
ALRT_GAUGE: U2.12
BTN: C58.1 R29.1 SW3.1 | length 104.5
  Top Copper w0.18: v1(-75.311,30.734) -75.224,30.734 -75.009,30.519 -70.358,30.519 -69.723,31.154 R29.1@-69.723,31.635 ; v2(-13.081,0.254) -12.994,0.254 -12.847,0.401 SW3.1@-9.464,0.401 -9.097,0.034 SW3.1@-8.304,0.034
  Bottom Copper w0.18: v1(-75.311,30.734) -76.454,30.734 -77.851,29.337 -77.851,21.717 -76.581,20.447 -19.431,20.447 -18.844,19.86 -18.844,4.999 -14.099,0.254 v2(-13.081,0.254)
BTN_PRESS: Q2.3 R27.1 TEST4.1 U3.13 | length 64.9
  Top Copper w0.18: v2(-29.972,31.369) -29.972,28.829 -29.146,28.004 -26.733,28.004 -26.035,27.305 -26.035,22.987 -24.527,21.479 -4.715,21.479 -0.508,17.272 -0.508,11.811 TEST4.1@2.54,8.763 3.302,8.001 Q2.3@5.223,8.001
  Bottom Copper w0.18: U3.13@-34.904,39.837 -33.741,39.837 -33.401,39.497 -33.401,37.973 -32.766,37.338 -30.902,37.338 -30.099,36.535 -30.099,34.29 -30.734,33.655 -30.734,32.131 v2(-29.972,31.369)
CC1: J70.A5 U6.5 | length 23.2
  Top Copper w0.18: v1(-67.357,40.058) -67.357,39.972 -67.16,39.775 -67.16,39.702 -66.659,39.201 -64.645,39.201 -64.515,39.071 U6.5@-64.172,39.071
  Signal Layer 1 w0.18: v1(-63.5,51.181) -63.439,51.242 -63.439,54.29 -62.992,54.737 -61.208,54.737 -60.596,55.349 J70.A5@-60.596,55.492
  Bottom Copper w0.18: v1(-67.357,40.058) -67.296,40.12 -67.296,40.568 -66.167,41.697 -66.167,46.863 -64.897,48.133 -64.897,50.206 -63.922,51.181 v1(-63.5,51.181)
CC2: J70.B5 U6.4 | length 31.9
  Top Copper w0.18: v1(-66.93,41.594) -66.89,41.554 -66.89,39.814 -66.547,39.471 U6.4@-64.172,39.471
  Signal Layer 1 w0.18: v1(-63.906,51.816) -63.906,51.841 -64.516,52.451 -64.516,58.293 -64.262,58.547 -63.246,58.547 -62.23,59.563 -59.309,59.563 -58.928,59.182 -58.928,58.674 -58.062,57.808 J70.B5@-58.062,56.842
  Bottom Copper w0.18: v1(-66.93,41.594) -66.526,41.998 -66.526,47.14 -65.278,48.388 -65.278,50.546 -64.674,51.15 -64.132,51.692 -64.092,51.692 -63.968,51.816 v1(-63.906,51.816)
CHARGER_MUX_N: U6.7 U7.2 | length 21.7
  Top Copper w0.15: v2(-65.741,38.354) -65.231,37.844 -64.308,37.844 -63.939,38.214 U6.7@-63.715,38.214
  Bottom Copper w0.15: v2(-65.741,38.354) -65.741,38.839 -65.167,39.413 -64.643,39.937 -64.643,42.194 -65.227,42.778 -65.227,46.492 -63.84,47.879 -57.318,47.879 -56.729,47.29 -56.014,47.29 -55.979,47.325 -55.655,47.325 U7.2@-55.605,47.375
CHARGER_MUX_P: U6.6 U7.1 | length 21.7
  Top Copper w0.15: v2(-65.151,38.354) -65.068,38.354 -64.888,38.174 -64.445,38.174 -64.172,38.447 U6.6@-64.172,38.671
  Bottom Copper w0.15: v2(-65.151,38.354) -65.142,38.363 -65.142,38.971 -65.031,39.083 -64.313,39.801 -64.313,40.57 -64.313,41.149 -64.187,41.275 -63.459,41.275 -63.333,41.401 -63.333,41.653 -63.459,41.779 -64.187,41.779 -64.313,41.905 -64.313,42.194 -64.313,42.33 -64.897,42.914 -64.897,46.355 -63.703,47.549 -57.455,47.549 -56.866,46.96 -56.014,46.96 -55.994,46.94 -55.67,46.94 U7.1@-55.605,46.875
CHARGER_N: J70.A7 J70.B7 TVS2.2 U7.7 | length 16.9
  Top Copper w0.15: J70.B7@-59.746,56.842 -58.946,56.042 -58.946,55.542 J70.A7@-58.896,55.492 -58.896,55.357 -59.156,55.097 -59.156,54.989 -59.156,54.492 -59.068,54.404 -58.722,54.404 TVS2.2@-58.547,54.229 -58.722,54.054 -59.053,54.054 -59.141,53.966 -59.141,52.664 -56.672,50.195 -56.672,49.306 -55.88,48.514 -55.224,47.858 -54.927,47.858 -54.801,47.984 -54.801,48.164 -54.675,48.29 -54.423,48.29 -54.297,48.164 -54.297,47.984 -54.171,47.858 -53.591,47.858 -52.825,47.858 -52.668,48.015 v1(-52.573,48.015)
  Bottom Copper w0.15: U7.7@-54.123,47.875 -54.106,47.858 -53.611,47.858 -52.825,47.858 -52.668,48.015 v1(-52.573,48.015)
CHARGER_P: J70.A6 J70.B6 TVS1.2 U7.8 | length 16.9
  Top Copper w0.15: J70.A6@-59.746,55.492 -59.746,55.439 -59.486,55.179 -59.486,54.704 -59.486,54.492 -59.574,54.404 -59.889,54.404 TVS1.2@-60.064,54.229 -59.889,54.054 -59.558,54.054 -59.471,53.966 -59.471,52.527 -57.002,50.059 -57.002,49.17 -55.36,47.528 -52.829,47.528 -52.673,47.371 v1(-52.578,47.371)
  Bottom Copper w0.15: J70.A6@-59.746,55.492 -58.946,56.292 -58.946,56.792 J70.B6@-58.896,56.842 ; U7.8@-54.123,47.375 -53.852,47.375 -53.802,47.425 -53.802,47.44 -53.714,47.528 -53.474,47.528 -52.829,47.528 -52.673,47.371 v1(-52.578,47.371)